# Altium PCB UmTRXv2.PcbDoc (part 2 of 25) (continued)
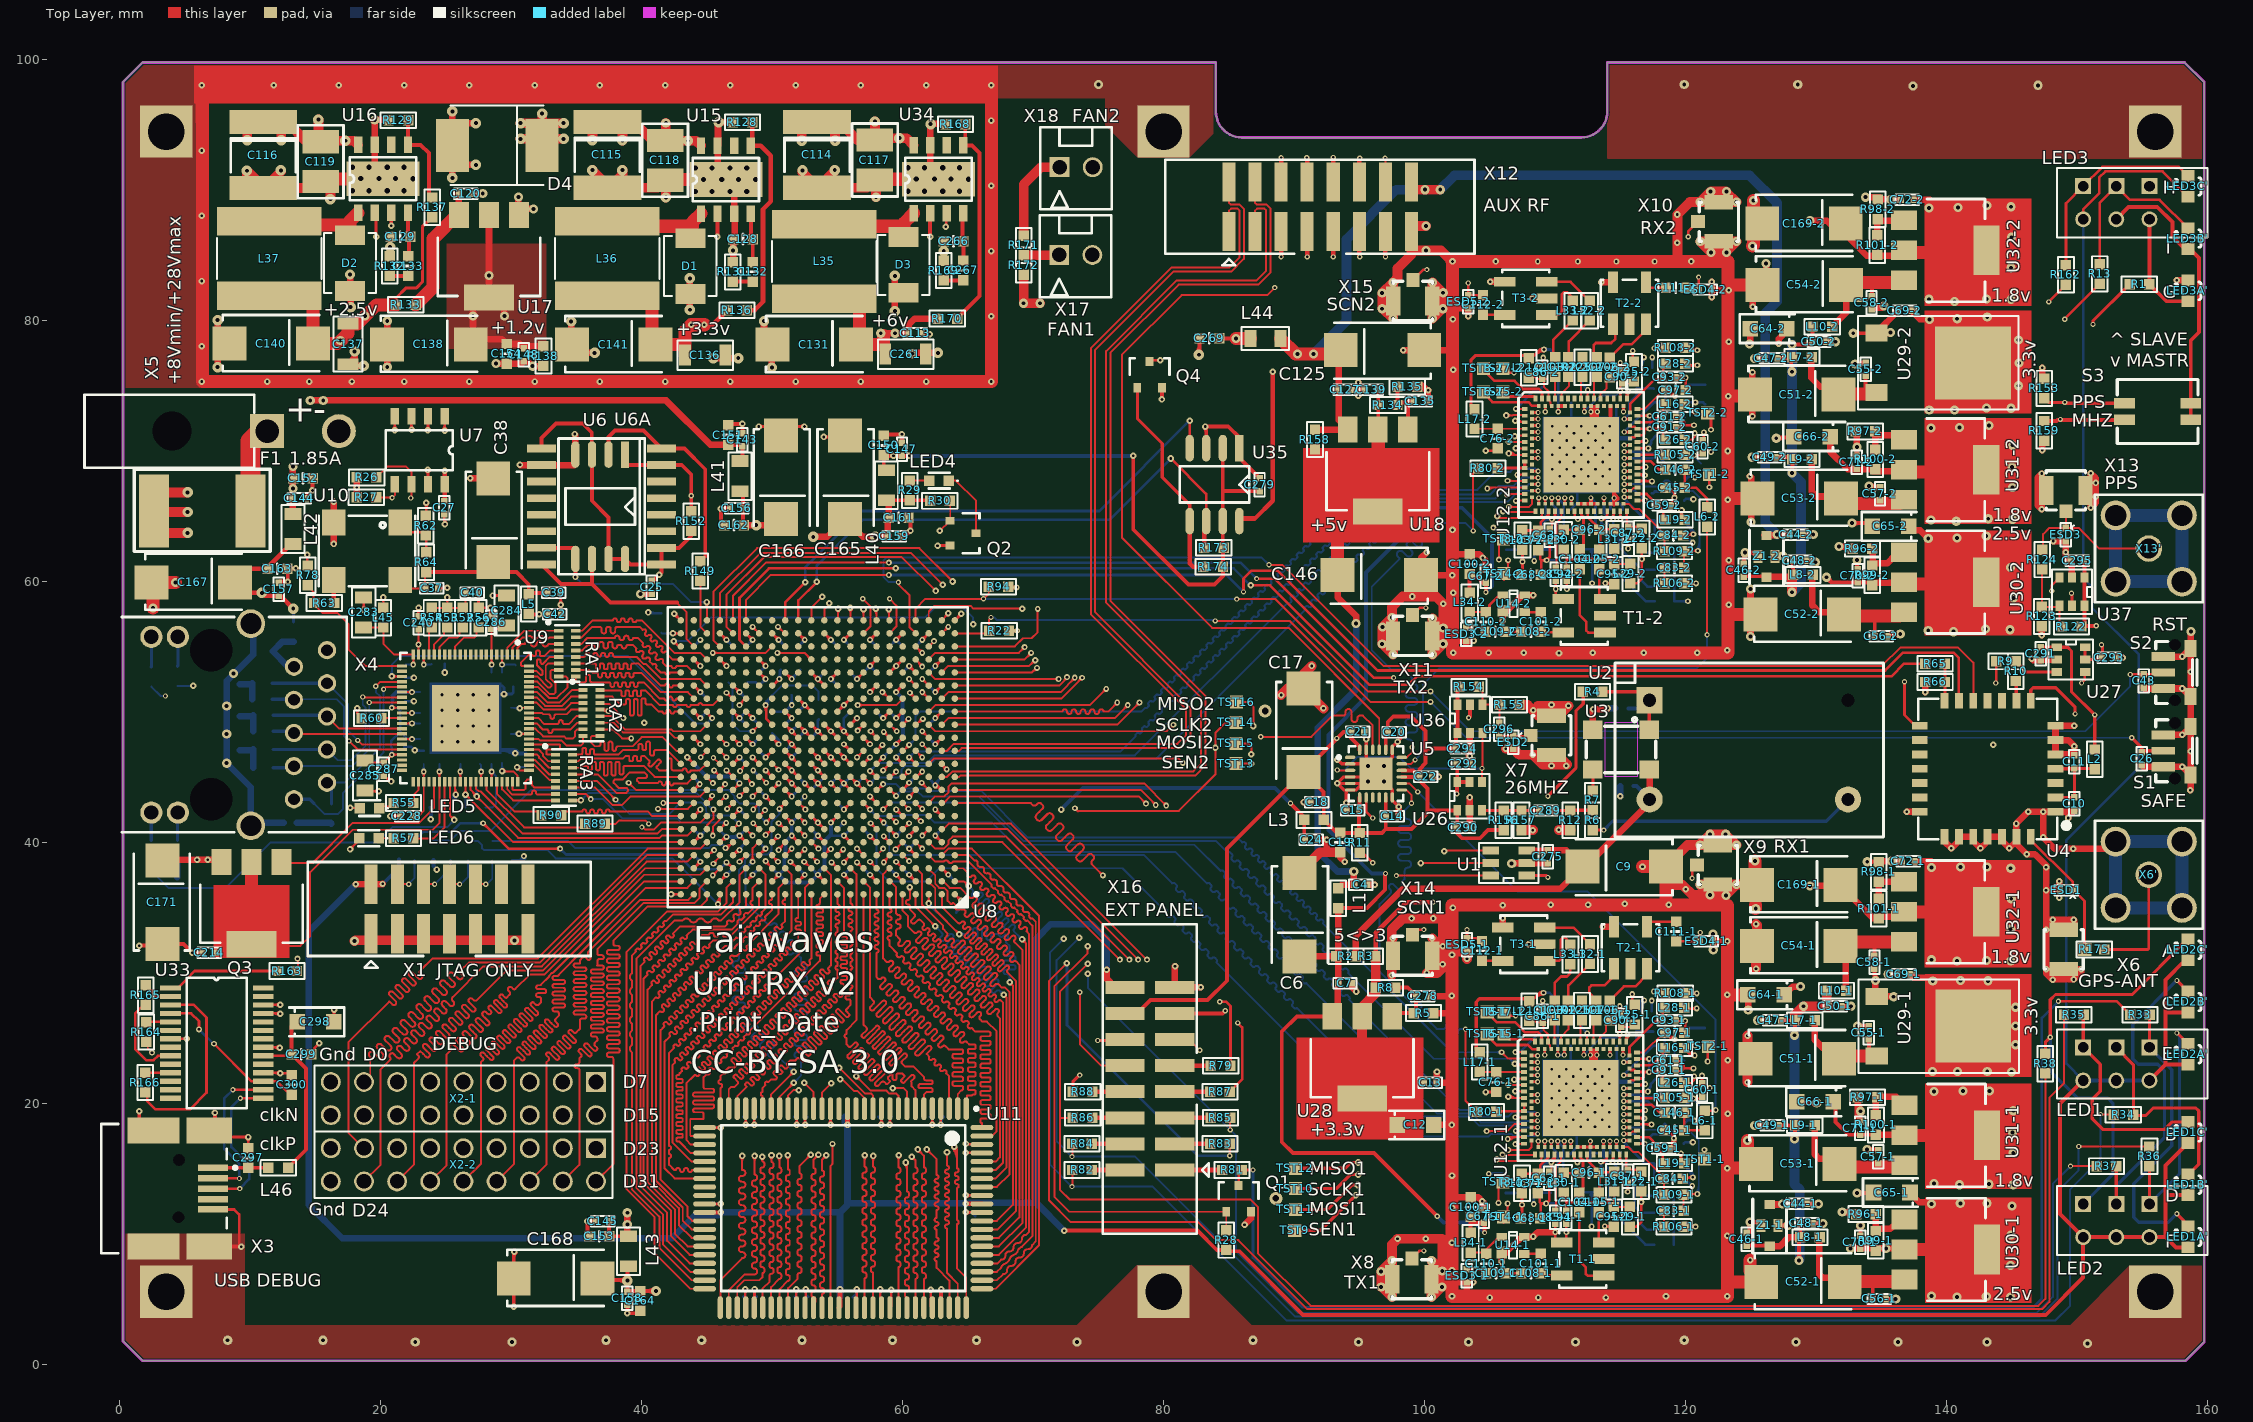
[diagram p0: Top Layer view]
## Footprints (in the part's own frame and the unit in brackets; to place one, negate y for a bottom-side part, rotate by r counter-clockwise, add the part's x,y. Pads: shape width x height; smd on the part's side, far side on the other; paste and mask are expansions set on the pad) (continued)
  silkscreen extent -12.27,-11.5 11.5,11.5, body extent -11.5,-11.5 11.5,11.5, height 2.5
FUSE2920 [mm] "FUSE PTC Resetable"
  rect 2.3x5.6 smd: 1(-3.7,0) 2(3.7,0)
  silkscreen extent -5.2,-3.2 5.2,3.1, body extent -3.9,-2.6 3.9,2.6, height 0.9
kp40x40 [mm]
  rect 1x1 smd: 1(0,0)
KPA-1606g [mm] "зелёный"
  rect 0.9x1 smd: 1(-0.8,0) 2(0.8,0)
  silkscreen extent -0.67,-1 0.67,1, body extent -0.8,-0.3 0.8,0.91, height 0.6
L-7104SA/3 [mil] "L-7104SA/3"
  rect 48x48 hole 32: 1(-50,-175.2) 2(-50,-275.2) 3(-50,-375.2)
  round 48 hole 32: 4(50,-375.2) 5(50,-275.2) 6(50,-175.2)
  silkscreen extent -104,-455 104,0, body extent -100,-451 100,103, height 600
LED-0603y [mm] "жёлтый"
  rect 0.8x0.8 smd: 1(-0.75,0) 2(0.75,0)
  silkscreen extent -1.45,-0.6 0.8,0.6, body extent -1.09,-0.4 0.92,0.4, height 0.8
MF-2MRA [mm]
  round 0 hole 3 unplated mask+1.6: 0(-7.3,0)
  rect 2.6x2.6 hole 1.8: 1(0,0)
  round 2.6 hole 1.8: 2(5.5,0)
  silkscreen extent -14,-2.8 -1,2.8, body extent -13.86,-3.13 6.08,2.67, height 11.4
NFM3DP [mm] "Фильтр электромагнитных помех"
  rect 0.7x0.8 smd: 1(-1.6,0) 3(1.6,0)
  rect 1x0.7 smd: 2(0,0.65) 2(0,-0.65)
  silkscreen extent -2,-1.3 2.1,1.3, body extent -1.6,-0.7 1.6,0.7, height 0.55
PLD-18 [mil]
  rect 60x60 hole 44: 1(0,0)
  round 60 hole 44: 2(0,100) 3(100,0) 4(100,100) 5(200,0) 6(200,100) 7(300,0) 8(300,100) 9(400,0) 10(400,100) 11(500,0) 12(500,100) 13(600,0) 14(600,100) 15(700,0) 16(700,100) 17(800,0) 18(800,100)
  silkscreen extent -50,-50 850,150, body extent -50,-50 850,150, height 398
"QFN-24(4x4/0/5mm) with Pad" [mm] "PQFN"
  rect 2.5x2.5 smd paste-2: 0(0,0)
  oval 0.8x0.25 smd mask+0.075: 1(-1.975,1.25) 2(-1.975,0.75) 3(-1.975,0.25) 4(-1.975,-0.25) 5(-1.975,-0.75) 6(-1.975,-1.25) 13(1.975,-1.25) 14(1.975,-0.75) 15(1.975,-0.25) 16(1.975,0.25) 17(1.975,0.75) 18(1.975,1.25)
  oval 0.25x0.8 smd mask+0.075: 7(-1.25,-1.825) 8(-0.75,-1.825) 9(-0.25,-1.825) 10(0.25,-1.825) 11(0.75,-1.825) 12(1.25,-1.825) 19(1.25,1.825) 20(0.75,1.825) 21(0.25,1.825) 22(-0.25,1.825) 23(-0.75,1.825) 24(-1.25,1.825)
  silkscreen extent -2.97,-2.1 2.1,2.1, body extent -2.1,-1.92 2.1,1.92, height 0.9
QFN-84(10X10/0/4MM)WITH_PAD [mm] "QFN, 84-Leads, Body 10,0x10,0mm (max), Pitch 0,40mm, IPC High Density"
  rect 5.1x5.1 smd paste-3: 0(0,0)
  rect 0.75x0.25 smd: 1(-4.875,4) 2(-4.875,3.6) 3(-4.875,3.2) 4(-4.875,2.8) 5(-4.875,2.4) 6(-4.875,2) 7(-4.875,1.6) 8(-4.875,1.2) 9(-4.875,0.8) 10(-4.875,0.4) 11(-4.875,0) 12(-4.875,-0.4) 13(-4.875,-0.8) 14(-4.875,-1.2) 15(-4.875,-1.6) 16(-4.875,-2) 17(-4.875,-2.4) 18(-4.875,-2.8) 19(-4.875,-3.2) 20(-4.875,-3.6) 21(-4.875,-4) 43(4.875,-4) 44(4.875,-3.6) 45(4.875,-3.2) 46(4.875,-2.8) 47(4.875,-2.4) 48(4.875,-2) 49(4.875,-1.6) 50(4.875,-1.2) 51(4.875,-0.8) 52(4.875,-0.4) 53(4.875,0) 54(4.875,0.4) 55(4.875,0.8) 56(4.875,1.2) 57(4.875,1.6) 58(4.875,2) 59(4.875,2.4) 60(4.875,2.8) 61(4.875,3.2) 62(4.875,3.6) 63(4.875,4)
  rect 0.25x0.75 smd: 22(-4,-4.875) 23(-3.6,-4.875) 24(-3.2,-4.875) 25(-2.8,-4.875) 26(-2.4,-4.875) 27(-2,-4.875) 28(-1.6,-4.875) 29(-1.2,-4.875) 30(-0.8,-4.875) 31(-0.4,-4.875) 32(0,-4.875) 33(0.4,-4.875) 34(0.8,-4.875) 35(1.2,-4.875) 36(1.6,-4.875) 37(2,-4.875) 38(2.4,-4.875) 39(2.8,-4.875) 40(3.2,-4.875) 41(3.6,-4.875) 42(4,-4.875) 64(4,4.875) 65(3.6,4.875) 66(3.2,4.875) 67(2.8,4.875) 68(2.4,4.875) 69(2,4.875) 70(1.6,4.875) 71(1.2,4.875) 72(0.8,4.875) 73(0.4,4.875) 74(0,4.875) 75(-0.4,4.875) 76(-0.8,4.875) 77(-1.2,4.875) 78(-1.6,4.875) 79(-2,4.875) 80(-2.4,4.875) 81(-2.8,4.875) 82(-3.2,4.875) 83(-3.6,4.875) 84(-4,4.875)
  silkscreen extent -5.92,-5 5,5, body extent -5,-5 5,5, height 0.85
QFP-10020X14/0.65] [mm] "Thin QFP, 100-Leads, Body 20x14mm, Pitch 0.65mm, IPC Medium Density"
  oval 1.75x0.4 smd mask+0.075: 1(-7.625,9.425) 2(-7.625,8.775) 3(-7.625,8.125) 4(-7.625,7.475) 5(-7.625,6.825) 6(-7.625,6.175) 7(-7.625,5.525) 8(-7.625,4.875) 9(-7.625,4.225) 10(-7.625,3.575) 11(-7.625,2.925) 12(-7.625,2.275) 13(-7.625,1.625) 14(-7.625,0.975) 15(-7.625,0.325) 16(-7.625,-0.325) 17(-7.625,-0.975) 18(-7.625,-1.625) 19(-7.625,-2.275) 20(-7.625,-2.925) 21(-7.625,-3.575) 22(-7.625,-4.225) 23(-7.625,-4.875) 24(-7.625,-5.525) 25(-7.625,-6.175) 26(-7.625,-6.825) 27(-7.625,-7.475) 28(-7.625,-8.125) 29(-7.625,-8.775) 30(-7.625,-9.425) 51(7.625,-9.425) 52(7.625,-8.775) 53(7.625,-8.125) 54(7.625,-7.475) 55(7.625,-6.825) 56(7.625,-6.175) 57(7.625,-5.525) 58(7.625,-4.875) 59(7.625,-4.225) 60(7.625,-3.575) 61(7.625,-2.925) 62(7.625,-2.275) 63(7.625,-1.625) 64(7.625,-0.975) 65(7.625,-0.325) 66(7.625,0.325) 67(7.625,0.975) 68(7.625,1.625) 69(7.625,2.275) 70(7.625,2.925) 71(7.625,3.575) 72(7.625,4.225) 73(7.625,4.875) 74(7.625,5.525) 75(7.625,6.175) 76(7.625,6.825) 77(7.625,7.475) 78(7.625,8.125) 79(7.625,8.775) 80(7.625,9.425)
  oval 0.4x1.75 smd mask+0.075: 31(-6.175,-10.625) 32(-5.525,-10.625) 33(-4.875,-10.625) 34(-4.225,-10.625) 35(-3.575,-10.625) 36(-2.925,-10.625) 37(-2.275,-10.625) 38(-1.625,-10.625) 39(-0.975,-10.625) 40(-0.325,-10.625) 41(0.325,-10.625) 42(0.975,-10.625) 43(1.625,-10.625) 44(2.275,-10.625) 45(2.925,-10.625) 46(3.575,-10.625) 47(4.225,-10.625) 48(4.875,-10.625) 49(5.525,-10.625) 50(6.175,-10.625) 81(6.175,10.625) 82(5.525,10.625) 83(4.875,10.625) 84(4.225,10.625) 85(3.575,10.625) 86(2.925,10.625) 87(2.275,10.625) 88(1.625,10.625) 89(0.975,10.625) 90(0.325,10.625) 91(-0.325,10.625) 92(-0.975,10.625) 93(-1.625,10.625) 94(-2.275,10.625) 95(-2.925,10.625) 96(-3.575,10.625) 97(-4.225,10.625) 98(-4.875,10.625) 99(-5.525,10.625) 100(-6.175,10.625)
  silkscreen extent -7.75,-9.35 6.35,10.33, body extent -8.95,-11.95 8.95,11.95, height 3.4
R0402-Phillips [mm]
  rect 0.5x0.5 smd: 1(-0.5,0) 2(0.5,0)
  silkscreen extent -0.9,-0.4 0.9,0.4, body extent -0.5,-0.3 0.5,0.3, height 0.2
R0603-PHILLIPS [mm]
  rect 0.8x0.8 smd: 1(-0.75,0) 2(0.75,0)
  silkscreen extent -1.35,-0.6 1.35,0.6, body extent -0.8,-0.4 0.8,0.4, height 0.3
"RJ45 1840710-x" [mm] "RJ45 GBEth Modular Jack with LEDs"
  round 0 hole 3.25 unplated mask+1.7: 0(-5.715,0) 0(5.715,0)
  round 1.4 hole 0.9: 1(-5.715,8.89) 2(-4.445,6.35) 3(-3.175,8.89) 4(-1.905,6.35) 5(-0.635,8.89) 6(0.635,6.35) 7(1.905,8.89) 8(3.175,6.35) 9(4.445,8.89) 10(5.715,6.35)
  round 1.7 hole 1.1: 11(-6.731,-2.54) 12(-6.731,-4.572) 13(6.731,-2.54) 14(6.731,-4.572)
  round 2.2 hole 1.6: 15(-7.747,3.048) 15(7.747,3.048)
  silkscreen extent -8.26,-6.86 8.26,10.41, body extent -8.94,-10.82 8.94,10.16, height 14.92
SBH-14 [mm] "SMD 2mm connector for ribbon cable"
  rect 1x3 smd: 1(-6,-1.9) 2(-6,1.9) 3(-4,-1.9) 4(-4,1.9) 5(-2,-1.9) 6(-2,1.9) 7(0,-1.9) 8(0,1.9) 9(2,-1.9) 10(2,1.9) 11(4,-1.9) 12(4,1.9) 13(6,-1.9) 14(6,1.9)
  silkscreen extent -10.87,-4.5 10.82,3.6, body extent -10.65,-3.25 10.65,3.25, height 6
SBH-16 [mm] "SMD 2mm connector for ribbon cable"
  rect 1x3 smd: 1(-7,-1.9) 2(-7,1.9) 3(-5,-1.9) 4(-5,1.9) 5(-3,-1.9) 6(-3,1.9) 7(-1,-1.9) 8(-1,1.9) 9(1,-1.9) 10(1,1.9) 11(3,-1.9) 12(3,1.9) 13(5,-1.9) 14(5,1.9) 15(7,-1.9) 16(7,1.9)
  silkscreen extent -11.88,-4.5 11.83,3.6, body extent -11.65,-3.25 11.65,3.25, height 6
SESD0402-Phillips [mm] "Doid 0402"
  rect 0.5x0.5 smd: 1(-0.5,0) 2(0.5,0)
  silkscreen extent -0.9,-0.4 0.9,0.63, body extent -0.63,-0.3 0.63,0.3, height 0.41
"SMA right angle" [mil] "RF connector SMA right angle"
  round 80 hole 60: 1(0,0)
  round 90 hole 64: 2(-100,100) 2(-100,-100) 2(100,100) 2(100,-100)
  silkscreen extent -163,-163 163,163, body extent -124,-122 126,461, height 376
SMB [mm] "DO-214AA"
  rect 1.52x2.3 smd: 1(-2.135,0) 2(2.135,0)
  silkscreen extent -2.3,-2 2.3,2, body extent -2.7,-1.83 2.7,1.77, height 2.3
SMC [mil]
  rect 100x160 smd: 1(-135,0) 2(135,0)
  silkscreen extent -140,-120 140,120, body extent -156,-117 156,115, height 91
SO-8 [mil] "R-PDSO-G8"
  rect 80x25 smd: 1(-110.12,74.8)
  oval 80x25 smd: 2(-109.88,25) 3(-109.88,-25) 4(-109.88,-75) 5(110.12,-75) 6(110.12,-25) 7(110.12,25) 8(110.12,75)
  silkscreen extent -56,-105 54,105, body extent -114,-96 114,97, height 57
SO-8[wide200] [mm] "SOIC-208mil"
  rect 2.032x0.635 smd: 1(-4,1.905)
  oval 2.032x0.635 smd: 2(-4,0.635) 3(-4,-0.635) 4(-4,-1.905) 5(4,-1.905) 6(4,-0.635) 7(4,0.635) 8(4,1.905)
  silkscreen extent -1.42,-2.67 1.37,2.67, body extent -3.9,-2.68 4,2.62, height 1.73
SO-16W [mm]
  rect 2.2x0.6 smd: 1(-4.6,4.445) 2(-4.6,3.175) 3(-4.6,1.905) 4(-4.6,0.635) 5(-4.6,-0.635) 6(-4.6,-1.905) 7(-4.6,-3.175) 8(-4.6,-4.445) 9(4.6,-4.445) 10(4.6,-3.175) 11(4.6,-1.905) 12(4.6,-0.635) 13(4.6,0.635) 14(4.6,1.905) 15(4.6,3.17) 16(4.6,4.445)
  silkscreen extent -3.3,-5.21 3.3,5.21, body extent -4.65,-4.88 4.65,5.12, height 1.75
SOIC8 [mm]
  rect 1.27x0.64 smd: 1(-2.605,1.905) 2(-2.605,0.635) 3(-2.605,-0.635) 4(-2.605,-1.905) 5(2.605,-1.905) 6(2.605,-0.635) 7(2.605,0.635) 8(2.605,1.905)
  silkscreen extent -1.52,-2.6 1.52,2.54, body extent -2.84,-2.4 2.94,2.5, height 1.45
"SOIC8 - BackGND - 0.4mm dia" [mm]
  round 0.5 hole 0.4 paste+0.05: 0(-0.919,2.342) 0(-0.919,-0.325) 0(-0.919,1.072) 0(-0.919,-1.595) 0(-0.003,-2.298) 0(0.013,1.707) 0(0.013,0.31) 0(0.013,-0.96) 0(0.878,2.342) 0(0.878,-0.325) 0(0.878,1.072) 0(0.878,-1.595)
  rect 2.67x5.6 smd paste-2: 0(-0.003,0.002)
  rect 2.67x5.6 smd far side paste-2: 0(-0.003,0.002)
  rect 1.27x0.64 smd: 1(-2.608,1.907) 2(-2.608,0.637) 3(-2.608,-0.633) 4(-2.608,-1.903) 5(2.602,-1.903) 6(2.602,-0.633) 7(2.602,0.637) 8(2.602,1.907)
  rect 2.67x3.3 on Top Solder: ""(-0.003,0.002)
  rect 2.67x3.3 on Top Paste: ""(0,0)
  silkscreen extent -1.65,-2.54 1.65,2.54, body extent -2.84,-2.45 2.94,2.45, height 1.45
SOT23-Philips [mm]
  rect 0.6x0.7 smd: 1(-0.95,-1) 2(0.95,-1) 3(0,1)
  silkscreen extent -1.52,0 1.52,1.27, body extent -1.46,-1.25 1.46,1.23, height 1
SOT-23-6 [mm]
  rect 0.6x1.27 smd: 1(-0.951,-1.385) 2(0,-1.385) 3(0.951,-1.385) 4(0.951,1.385) 5(0,1.385) 6(-0.951,1.385)
  silkscreen extent -1.52,-2.27 1.52,2.3, body extent -1.65,-1.5 1.65,1.5, height 1.09
SOT-23-6-min [mm]
  rect 0.6x0.8 smd: 1(-0.951,-1.085) 2(0,-1.085) 3(0.951,-1.085) 4(0.951,1.085) 5(0,1.085) 6(-0.951,1.085)
  silkscreen extent -1.52,-1.7 1.52,1.7, body extent -1.39,-1.19 1.4,1.24, height 1.09
SOT-223 [mm]
  rect 1.5x2 smd: 1(-2.3,-3.15) 2(0,-3.15) 3(2.3,-3.15)
  rect 3.8x2 smd: 4(0,3.15)
  silkscreen extent -3.94,-1.4 3.94,3.04, body extent -3.25,-3.35 3.25,3.55, height 1.6
SOT-223-1 [mm] "SOT223 на 3 пина"
  rect 1.5x2 smd: 1(0,0) 2(2.3,0) 3(4.6,0)
  rect 3.8x2 smd: 2(2.3,6.3)
  silkscreen extent -1.64,1.75 6.24,6.19, body extent -0.95,-0.2 5.55,6.7, height 1.6
SOT-343[2X1.25] [mm]
  rect 0.6x0.8 smd: 1(-0.65,-0.85) 3(0.65,0.85) 4(-0.65,0.85)
  rect 0.9x0.8 smd: 2(0.55,-0.85)
  silkscreen extent -1.02,-0.3 1.02,0.3, body extent -1,-1.08 1,1.02, height 0.9
SRN8040 [mm] "Inductor"
  rect 8x2.2 smd: 1(0,2.85) 2(0,-2.85)
  silkscreen extent -4,-1.58 4,1.58, body extent -4,-4.01 4,4.01, height 4
SSOP-28(5.3x10/0.65) [mm]
  rect 1.6x0.4 smd mask+0.075: 1(-3.55,4.225) 2(-3.55,3.575) 3(-3.55,2.925) 4(-3.55,2.275) 5(-3.55,1.625) 6(-3.55,0.975) 7(-3.55,0.325) 8(-3.55,-0.325) 9(-3.55,-0.975) 10(-3.55,-1.625) 11(-3.55,-2.275) 12(-3.55,-2.925) 13(-3.55,-3.575) 14(-3.55,-4.225) 15(3.55,-4.225) 16(3.55,-3.575) 17(3.55,-2.925) 18(3.55,-2.275) 19(3.55,-1.625) 20(3.55,-0.975) 21(3.55,-0.325) 22(3.55,0.325) 23(3.55,0.975) 24(3.55,1.625) 25(3.55,2.275) 26(3.55,2.925) 27(3.55,3.575) 28(3.55,4.225)
  silkscreen extent -2.3,-5 2.3,5, body extent -3.95,-4.85 3.95,4.85, height 1.87
TCXO5X3 [mm] "TCXO"
  rect 1.5x1.4 smd: 1(0.381,0.127) 2(4.699,0.127) 3(4.699,3.175) 4(0.381,3.175)
  Top Layer keep-out region: 1.27,-0.381 3.81,-0.381 3.81,3.683 1.27,3.683
  silkscreen extent -0.13,-0.78 5.21,3.43, body extent 0,0 5.08,3.3, height 1.5
TF160808-PHILLIPS [mm]
  rect 0.8x0.8 smd: 1(-0.75,0) 2(0.75,0)
  silkscreen extent -1.38,-0.63 1.38,0.63, body extent -0.86,-0.45 0.85,0.45, height 0.9
TI2012-PHILLIPS [mm]
  rect 0.9x1.3 smd: 1(-1.15,0) 2(1.15,0)
  silkscreen extent -1.83,-0.87 1.83,0.87, body extent -1.32,-0.69 1.23,0.67, height 1
TI160808-PHILLIPS [mm]
  rect 0.8x0.8 smd: 1(-0.75,0) 2(0.75,0)
  silkscreen extent -1.35,-0.6 1.35,0.6, body extent -0.86,-0.45 0.85,0.45, height 0.9
TL3340 [mm] "Switch Tactile SMD right angle"
  round 0 hole 0.9 unplated: 0(0,-2.125) 0(0,2.125)
  rect 1.8x0.6 smd: 1(-0.9,0)
  rect 1.8x0.7 smd: 2(-0.9,-1.225) 2(-0.9,1.225)
  rect 0.9x1.3 smd: 3(1.2,1.85) 4(1.2,-1.85)
  silkscreen extent -1.48,-2.37 1.7,2.37, body extent -1.35,-2.24 2.05,2.24, height 3.3
to-252 [mm]
  rect 1.3x1.7 smd: 1(0,0) 3(4.57,0)
  rect 5.6x5.8 smd: 2(2.285,7.4)
  silkscreen extent -1.3,-1.4 5.87,10.9, body extent -1,0.2 5.6,10.3, height 2.4
U_FL [mm] "Ultraminiature Coax Connector (UMCC)"
  rect 1.05x1 smd: 1(-1.6,0)
  rect 2.2x1.1 smd: 2(0,1.5) 2(0,-1.5)
  silkscreen extent -1.5,-1.5 1.5,1.5, body extent -1.55,-1.5 1.3,1.5, height 1.25
USB/SM0.8-6H5 [mm] "Connector; USB2.0, Type B, SM; 5 Position; Right Angle"
  rect 3.5x2 smd: 0(-7.55,-4.45) 0(-7.55,4.45)
  rect 4x2 smd: 0(-3.3,4.45) 0(-3.3,-4.45)
  rect 2.3x0.5 smd: 1(-7.85,-1.6) 2(-7.85,-0.8) 3(-7.85,0) 4(-7.85,1.6) x(-7.85,0.8)
  round 0.6 hole 0.9 unplated: MH1(-5.2,2.2) MH2(-5.25,-2.2)
  silkscreen extent -9.68,-4.95 0.7,4.95, body extent -8.35,-5 0.65,4.9, height 3.9
WF-2 [mil] "DC Power Connector"
  rect 60x60 hole 44: 1(0,0)
  round 60 hole 44: 2(100,0)
  silkscreen extent -58,-127 157,120, body extent -49,-118 148,110, height 461
YC248 [mm] "Резисторная сборка 8х0.5мм"
  rect 0.7x0.3 smd: 1(-0.65,1.75) 2(-0.65,1.25) 3(-0.65,0.75) 4(-0.65,0.25) 5(-0.65,-0.25) 6(-0.65,-0.75) 7(-0.65,-1.25) 8(-0.65,-1.75) 9(0.65,-1.75) 10(0.65,-1.25) 11(0.65,-0.75) 12(0.65,-0.25) 13(0.65,0.25) 14(0.65,0.75) 15(0.65,1.25) 16(0.65,1.75)
  silkscreen extent -1.57,-2.17 0.9,2.52, body extent -0.82,-1.9 0.77,1.9, height 0.45

## Part data
C4 C5 C7 C8 C10 C11 C13 C14 C15 C18 C20 C21 C22 C24 C25 C26 C27 C33 C34 C35 C36 C37 C39 C40 C42 C43 C44-1 C44-2 C46-1 C46-2 C47-1 C47-2 C48-1 C48-2 C49-1 C49-2 C50-1 C50-2 C55-1 C55-2 C56-1 C56-2 C57-1 C57-2 C58-1 C58-2 C59-1 C59-2 C60-1 C60-2 C61-1 C61-2 C62-1 C62-2 C63-1 C63-2 C67-1 C67-2 C69-1 C69-2 C70-1 C70-2 C71-1 C71-2 C72-1 C72-2 C78-1 C78-2 C79-1 C79-2 C80-1 C80-2 C85-1 C85-2 C86-1 C86-2 C87-1 C87-2 C88-1 C88-2 C89-1 C89-2 C90-1 C90-2 C91-1 C91-2 C92-1 C92-2 C93-1 C93-2 C94-1 C94-2 C113 C120 C127 C135 C139 C143 C144 C145 C147 C148 C156 C157 C158 C159 C172 C174 C175 C176 C177 C178 C179 C180 C181 C182 C183 C184 C185 C186 C187 C188 C189 C190 C191 C192 C193 C194 C196 C197 C198 C199 C200 C201 C202 C203 C204 C205 C206 C207 C208 C209 C210 C211 C212 C213 C214 C215 C216 C217 C218 C219 C220 C221 C222 C223 C224 C225 C227 C228 C229 C230 C231 C232 C233 C234 C235 C236 C237 C238 C239 C240 C241 C242 C243 C244 C245 C246 C247 C248 C249 C250 C251 C252 C254 C255 C256 C257 C258 C259 C260 C262 C263 C264 C265 C268 C270 C271 C272 C273 C274 C275 C276 C277 C278 C279 C280 C281 C282 C286 C287 C289 C290 C291 C292 C293 C294 C295 C296: library part C0402, "Конденсатор"
C6 C9 C17 C38 C51-1 C51-2 C52-1 C52-2 C53-1 C53-2 C54-1 C54-2 C125 C131 C138 C140 C141 C146 C165 C166 C167 C168 C169-1 C169-2 C171: library part CD7343, "Конденсатор"
C12 C64-1 C64-2 C65-1 C65-2 C66-1 C66-2 C298: library part CA3216, "Конденсатор"
C19 C32 C41 C45-1 C45-2 C68-1 C68-2 C73-1 C73-2 C74-1 C74-2 C75-1 C75-2 C76-1 C76-2 C77-1 C77-2 C81-1 C81-2 C82-1 C82-2 C83-1 C83-2 C84-1 C84-2 C95-1 C95-2 C96-1 C96-2 C97-1 C97-2 C98-1 C98-2 C99-1 C99-2 C100-1 C100-2 C101-1 C101-2 C102-1 C102-2 C103-1 C103-2 C104-1 C104-2 C105-1 C105-2 C106-1 C106-2 C107-1 C107-2 C108-1 C108-2 C109-1 C109-2 C110-1 C110-2 C111-1 C111-2 C112-1 C112-2 C128 C129 C132 C133 C146-1 C146-2 C150 C151 C152 C153 C154 C161 C162 C163 C164 C266 C267 C269 C297 C299 C300: library part C0603, "Конденсатор"
C114 C115 C116: library part C2220, "Конденсатор"
C117 C118 C119: library part C1210_H2,5, "Конденсатор"
C136 C137 C261: library part C1206, "Конденсатор"
C283 C284 C285: library part C0805, "Конденсатор"
D1 D2 D3: library part B3x0B, "Диод Шоттки"
D4: library part STPS3L40S, "Диод"
ESD1 ESD2 ESD3: library part SESD0402S, "ESD diod unidirectional"
ESD3-1 ESD3-2 ESD4-1 ESD4-2 ESD5-1 ESD5-2: library part SESD0402X, "ESD diod bi-directional"
F1: library part FUSE_PTC, "FUSE PTC resetable"
L1 L2 L3 L4 L5 L6-1 L6-2 L7-1 L7-2 L8-1 L8-2 L9-1 L9-2 L10-1 L10-2 L11-1 L11-2 L12-1 L12-2 L13-1 L13-2 L14-1 L14-2 L15-1 L15-2 L16-1 L16-2 L17-1 L17-2 L18-1 L18-2 L19-1 L19-2 L20-1 L20-2 L21-1 L21-2 L22-1 L22-2 L23-1 L23-2 L24-1 L24-2 L25-1 L25-2 L26-1 L26-2 L27-1 L27-2 L28-1 L28-2 L29-1 L29-2 L45 L46: library part TI160808, "Дроссель ЭМС"
L30-1 L30-2 L31-1 L31-2 L32-1 L32-2 L33-1 L33-2 L34-1 L34-2: library part TF160808, "Индуктивность"
L35 L36 L37: library part L-SRN8040, "Индуктивность"
L40 L41 L42 L43 L44: library part TI2012_1, "Дроссель ЭМС"
LED1 LED2 LED3: library part L7104SA/3, "Светодиод"
LED1A' LED1B' LED1C' LED2A' LED2B' LED2C' LED3A' LED3B' LED3C': library part KPA-1606, "Светодиод"
LED4: library part LED0603, "LED SMD"
LED5 LED6: library part LED0603, "Светодиод"
Q1 Q2 Q3: "Транзистор"
Q4: library part "BC 817", "Транзистор"
R1 R2 R3 R4 R5 R6 R7 R8 R9 R10 R11 R12 R13 R14 R15 R16 R17 R18 R19 R20 R21 R22 R23 R24 R26 R27 R28 R29 R30 R31 R32 R33 R34 R35 R36 R37 R38 R41 R42 R43 R44 R45 R46 R47 R48 R49 R50 R51 R52 R53 R54 R55 R56 R57 R58 R59 R60 R61 R62 R63 R64 R65 R66 R67 R78 R79 R80-1 R80-2 R81 R82 R83 R84 R85 R86 R87 R88 R89 R90 R91 R92 R93 R94 R95-1 R95-2 R96-1 R96-2 R97-1 R97-2 R98-1 R98-2 R99-1 R99-2 R100-1 R100-2 R101-1 R101-2 R103-1 R103-2 R104-1 R104-2 R105-1 R105-2 R106-1 R106-2 R107-1 R107-2 R108-1 R108-2 R109-1 R109-2 R110-1 R110-2 R111-1 R111-2 R112-1 R112-2 R113-1 R113-2 R114-1 R114-2 R119-1 R119-2 R121-1 R121-2 R122 R123 R124 R125-1 R125-2 R128 R129 R131 R132 R133 R134 R135 R136 R137 R138 R149 R152 R153 R154 R155 R156 R157 R158 R159 R162 R163 R164 R165 R166 R168 R169 R170 R171 R172 R173 R174 R175: library part R0603, "Резистор"
RA1 RA2 RA3: library part YC248, "Резисторная сборка"
S1 S2: "Switch Tactile SMD right angle"
S3: "Switch 2pos Piano SMD right angle"
T1-1 T1-2 T2-1 T2-2: library part TC1-1-13, "Трансформатор"
T3-1 T3-2: library part TC4-25, "Трансформатор"
TST1-1 TST1-2 TST2-1 TST2-2 TST3-1 TST3-2 TST4-1 TST4-2 TST5-1 TST5-2 TST6-1 TST6-2 TST7-1 TST7-2 TST8-1 TST8-2 TST9 TST10 TST11 TST12 TST13 TST14 TST15 TST16: library part KP, "Контактная площадка"
U1 U4 U6A U9 U12-1 U12-2 U14-1 U14-2 U26 U27 U33 U35 U36 U37: "Микросхема"
U2: library part OCVCXO, "OCVCXO"
U3: library part TCVCXO_5X3, "TCVCXO"
U5: library part SI5330, "Микросхема"
U6: library part S25FL064K, "Микросхема"
U7: library part AT24CXX, "Микросхема"
U8: "Spartan-6 LX 1.2V FPGA, 270 User I/Os, 484-Ball Fine-Pitch BGA (1.0mm Pitch), Speed Grade 2, Commercial Grade, Pb-Free"
U10: "Генератор"
U11: library part CY7C1354C-166AXI, "Микросхема"
U15 U16 U34: library part L5973D, "Микросхема"
U17 U18 U28 U30-1 U30-2 U31-1 U31-2 U32-1 U32-2: library part LD1117ADJ, "Микросхема"
U29-1 U29-2: library part LD1117FIX, "Микросхема"
X1: library part SBH21-7x2_SMD, "Разъем"
X2-1 X2-2 X5: "Разъем"
X3: library part "USB M-1J", "Разъём"
X4: library part "RJ45 1840710-5", "Модуль разъёма RJ45"
X6 X7 X8 X9 X10 X11 X13 X14 X15: library part U_FL, "Ultraminiature Coax Connector (UMCC)"
X6' X13': library part "SMA-Right Angle", "Разъем"
X12 X16: library part SBH21-8x2_SMD, "Connector 2mm SMD"
X17 X18: library part WF-2, "Разъем"
Z1-1 Z1-2: library part NFM3DP, "Фильтр"

## Free pads (board coordinates)
  rect 4x4 hole 2.8 paste-3: 0(3.57,5.55) 0(3.57,94.45) 0(80,5.55) 0(80,94.45) 0(156,5.55) 0(156,94.45)

## Via types
v1: diameter 0.5, hole 0.2, Top Layer to Bottom Layer, tented both sides, 441 vias
v2: diameter 0.45, hole 0.2, Top Layer to Bottom Layer, tented both sides, 429 vias
v3: diameter 0.7, hole 0.3, Top Layer to Bottom Layer, tented both sides, 258 vias
v4: diameter 0.4, hole 0.2, Top Layer to Bottom Layer, tented both sides, 197 vias
v5: diameter 0.8, hole 0.3, Top Layer to Bottom Layer, tented both sides, 61 vias
v6: diameter 0.6, hole 0.25, Top Layer to Bottom Layer, tented both sides, 16 vias
v7: diameter 0.6, hole 0.3, Top Layer to Bottom Layer, tented both sides, 4 vias
v8: diameter 1, hole 0.5, Top Layer to Bottom Layer, tented both sides, 2 vias

## Nets (pads, with @x,y where several pads share a name; then routed paths per layer and width w, separated by ;. In a path a pad name is that pad's centre, name@x,y a point inside that pad or via, vN(x,y) a via of type N, cw(c..) or ccw(c..) an arc to the next point about the centre after c; other vN are vias at no path point)
1PPS_IO: ESD3.1 R124.1 X13'.1 X13.1 | length 11.8
  Top Layer w0.15: R124.1@147.05,62.4 147.4,62.75 147.4,63.6 147.875,64.075 ESD3.1@149.125,64.075 ; X13.1@149.15,65.35 149.15,64.1 ESD3.1@149.125,64.075 ; X13'.1@155.5,63 155,62.5 151.7,62.5 150.125,64.075 ESD3.1@149.125,64.075
1PPS_SW: C293.2 R153.2 S3.2 U27.5 U27.6 U37.5 X16.12 | length 125.2
  Top Layer w0.25: v4(74.95,24.8) 76.975,24.8 X16.12@77.05,24.875 ; R153.2@147.5,74.025 147.825,73.7 v4(149.05,73.7) 149.115,73.635 S3.2@153.635,73.635 ; v4(149.575,59.075) 149.613,59.037 U37.5@149.613,58.11 ; U27.6@150.615,54.939 U27.5@150.615,53.988 151.813,53.988 C293.2@151.95,54.125 151.95,55.05 v4(151.875,55.125)
  Mid-Layer 2 w0.25: v4(74.95,24.8) 76.55,23.2 86.3,23.2 108.25,45.15 110.85,45.15 112.575,46.875 143.85,46.875 147.4,50.425 150.325,50.425 151.875,51.975 v4(151.875,55.125) 149.575,57.425 v4(149.575,59.075) 149.6,59.1 149.6,73.15 v4(149.05,73.7)
26MHZ_IO: C296.1 ESD2.1 X7.1 | length 2.4
  Top Layer w0.15: C296.1@105.725,48.15 ESD2.1@106.8,48.15 108.1,48.15 X7.1@108.125,48.175
26MHZ_SW: C292.2 R159.2 S3.1 U26.5 U26.6 U36.5 X16.13 | length 115.5
  Top Layer w0.3: X16.13@80.85,26.875 84.525,26.875 v4(84.725,27.075) ; C292.2@102.45,45.975 102.5,45.925 U26.6@102.5,44.61 ; v4(102.475,43.7) 102.475,44.585 U26.6@102.5,44.61 ; v4(103.375,49.525) 103.475,49.625 U36.5@103.475,50.535 ; U26.5@103.451,44.61 U26.6@102.5,44.61 ; R159.2@147.5,72.275 148.425,72.275 148.515,72.365 S3.1@153.635,72.365
  Mid-Layer 2 w0.25: v4(84.725,27.075) 85.5,27.075 102.125,43.7 v4(102.475,43.7) 102.475,48.625 v4(103.375,49.525) 145.575,49.525 147.137,51.088 150.237,51.088 150.95,51.8 150.95,54.125 148.55,56.525 148.55,62.525 148.725,62.7 v4(148.725,72.4)